# Altium PCB FMC_ADC_128CH_10B.PcbDoc (part 4 of 14)
Units mm, origin at the board's own origin, x right, y up, seen from the top; angles counter-clockwise.
Board outline 76.5 x 69 mm, 8 copper layers (Top Layer, Int1 (Sign), Int2 (GND), Int3 (Sign), Int4 (Sign), Int5 (GND), Int6 (Sign), Bottom Layer), stack 1.433 mm thick; 815 components, 661 nets, 3772 pads, 2072 vias.
Unrouted connection lines stored in the file: 135.
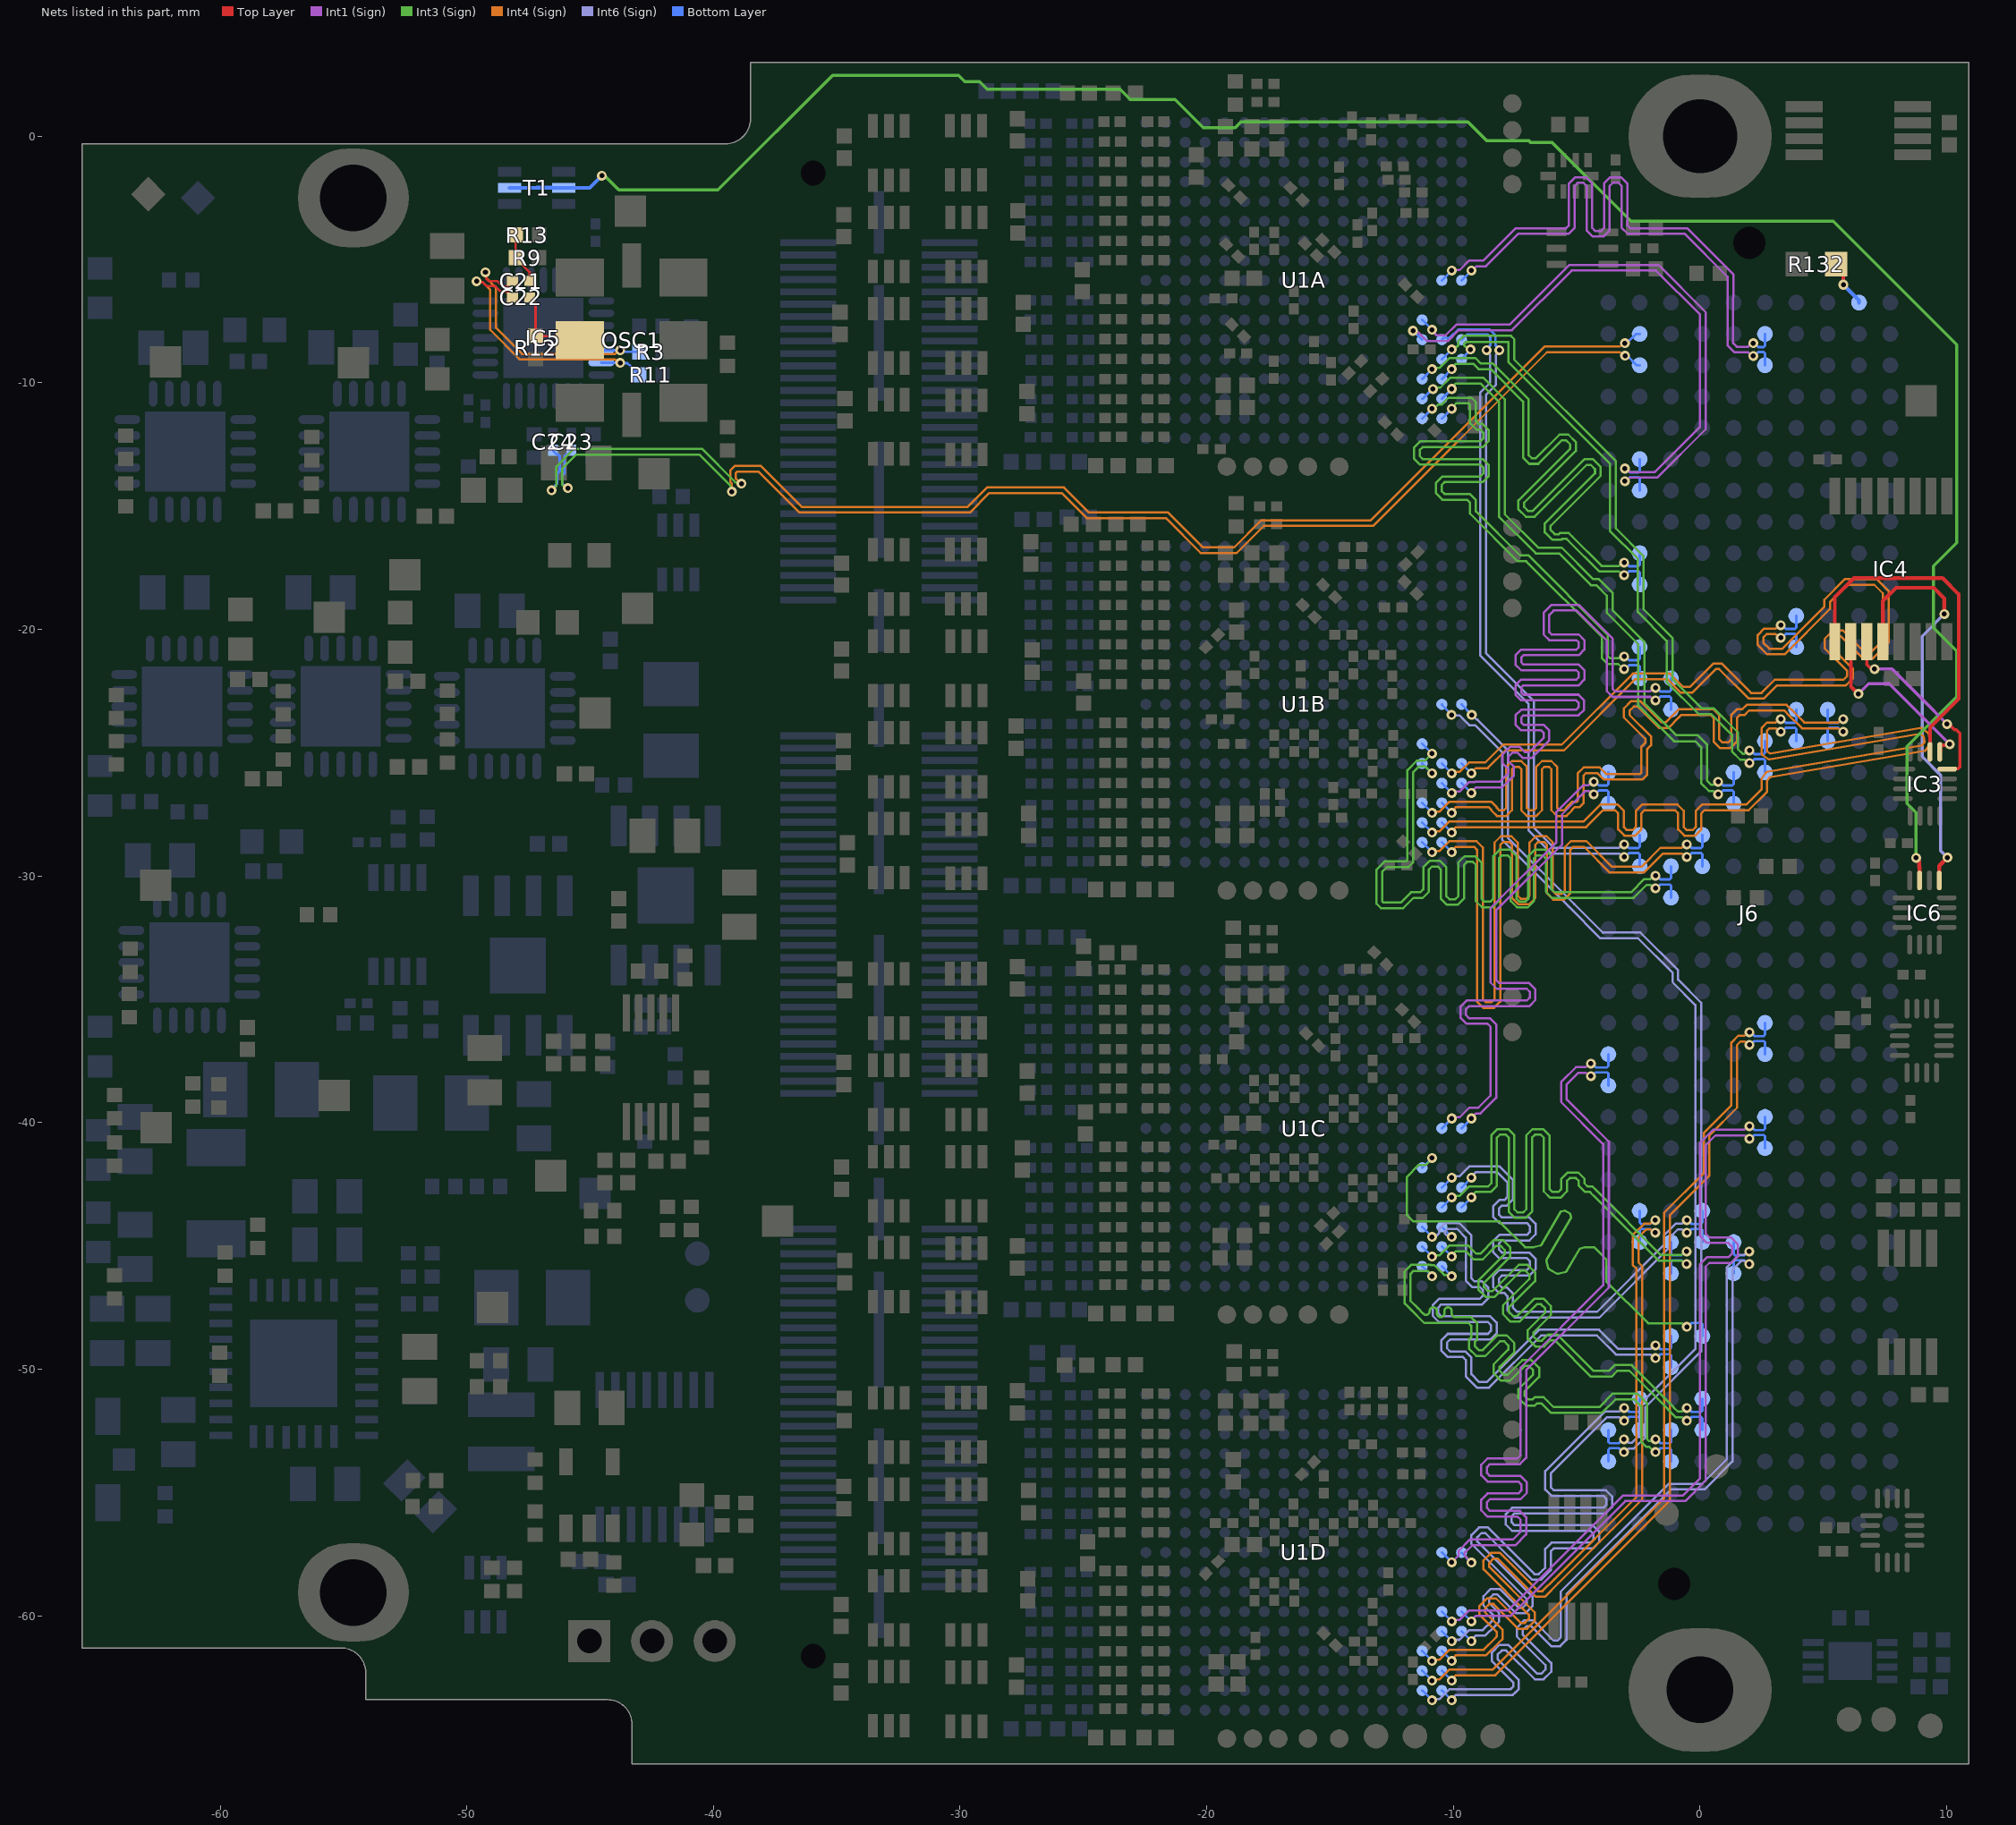
[diagram p10: the nets of this part, all layers, seen from the top]

## Via types
v1: diameter 0.4, hole 0.2, Top Layer to Bottom Layer, tented both sides, 1806 vias
v2: diameter 0.5, hole 0.2, Top Layer to Bottom Layer, tented both sides, 181 vias
v3: diameter 0.6, hole 0.3, Top Layer to Bottom Layer, tented both sides, 81 vias
v4: diameter 0.5, hole 0.3, Top Layer to Bottom Layer, tented both sides, 3 vias
v5: diameter 0.6, hole 0.2, Top Layer to Bottom Layer, tented both sides, 1 vias

## Nets (pads, with @x,y where several pads share a name; then routed paths per layer and width w, separated by ;. In a path a pad name is that pad's centre, name@x,y a point inside that pad or via, vN(x,y) a via of type N, cw(c..) or ccw(c..) an arc to the next point about the centre after c; other vN are vias at no path point) (continued)
CLK3_BIDIR_N: C24.1 J6.j3 | length 54.2
  Int3 (Sign) w0.091: v1(-46.565,-14.359) -46.551,-14.359 -46.365,-14.173 -46.365,-13.39 -45.649,-12.674 -40.472,-12.674 -39.109,-14.036 -38.913,-14.036 v1(-38.865,-14.084)
  Int4 (Sign) w0.091: v1(-38.865,-14.084) -38.892,-14.084 -39.091,-13.885 -39.091,-13.65 -39.044,-13.603 -38.166,-13.603 -36.513,-15.256 -29.599,-15.256 -28.812,-14.47 -25.882,-14.47 -24.866,-15.486 -21.659,-15.486 -20.242,-16.903 -18.794,-16.903 -17.692,-15.801 -13.253,-15.801 -6.209,-8.758 -3.247,-8.758 -3.107,-8.898 v1(-3.04,-8.898)
  Bottom Layer w0.1: v1(-46.565,-14.359) -46.565,-14.315 -46.333,-14.082 -46.333,-13.68 -46.229,-13.576 -46.229,-12.965 -46.288,-12.907 -46.349,-12.907 -46.499,-12.757 C24.1@-46.499,-12.732 ; v1(-3.04,-8.898) -2.959,-8.898 -2.573,-9.284 J6.j3@-2.447,-9.284
CLK3_BIDIR_P: C23.1 J6.j2 | length 54.1
  Int3 (Sign) w0.091: v1(-45.9,-14.271) -45.984,-14.271 -46.135,-14.12 -46.135,-13.485 -45.554,-12.904 -40.567,-12.904 -39.305,-14.166 -39.305,-14.363 v1(-39.257,-14.411)
  Int4 (Sign) w0.091: v1(-39.257,-14.411) -39.257,-14.084 -39.321,-14.02 -39.321,-13.555 -39.14,-13.373 -38.071,-13.373 -36.418,-15.026 -29.694,-15.026 -28.908,-14.24 -25.787,-14.24 -24.771,-15.256 -21.564,-15.256 -20.147,-16.673 -18.889,-16.673 -17.787,-15.571 -13.348,-15.571 -6.305,-8.528 -3.254,-8.528 -3.114,-8.388 v1(-3.047,-8.388)
  Bottom Layer w0.1: v1(-45.9,-14.271) -45.944,-14.271 -46.133,-14.082 -46.133,-13.763 -46.029,-13.659 -46.029,-12.965 -45.971,-12.907 -45.909,-12.907 -45.759,-12.757 C23.1@-45.759,-12.732 ; v1(-3.047,-8.388) -2.966,-8.388 -2.592,-8.014 J6.j2@-2.447,-8.014
CLK_DIR: J6.b1 R132.2 | length 1.9
  Top Layer w0.152: R132.2@5.517,-5.193 5.81,-5.486 v1(5.81,-6.019)
  Bottom Layer w0.152: v1(5.81,-6.019) 6.443,-6.652 J6.b1@6.443,-6.744
CLK_SEL: IC6.15 T1.2 T1.5 | length 89.3
  Top Layer w0.152: v1(8.764,-29.261) 8.884,-29.38 8.884,-29.626 8.9,-29.642 IC6.15@8.9,-30.179
  Int3 (Sign) w0.127: v1(-44.525,-1.6) -44.509,-1.617 -44.402,-1.617 -43.838,-2.18 -39.82,-2.18 -35.166,2.473 -30.06,2.473 -29.809,2.222 -29.214,2.222 -28.902,1.91 -23.508,1.91 -23.095,1.496 -21.281,1.496 -20.133,0.349 -18.845,0.349 -18.613,0.581 -9.411,0.581 -8.66,-0.17 -6.946,-0.17 -6.874,-0.242 -6.003,-0.242 -2.804,-3.441 5.398,-3.441 10.408,-8.451 10.408,-16.489 9.466,-17.431 9.466,-19.93 10.408,-20.873 10.408,-22.726 8.399,-24.735 8.399,-27.066 8.761,-27.429 v1@8.761,-29.258
  Bottom Layer w0.152: T1.2@-48.264,-2.094 -47.174,-2.094 -47.167,-2.086 -46.554,-2.086 -46.547,-2.094 T1.5@-46.064,-2.094 -45.018,-2.094 v1(-44.525,-1.6)
CS_A0: IC3.14 IC4.1 | length 14.3
  Top Layer w0.152: IC4.1@5.463,-20.489 5.463,-18.69 6.236,-17.917 9.828,-17.917 10.484,-18.574 10.484,-22.804 9.323,-23.965 IC3.14@9.323,-24.96
CS_A1: IC3.13 IC4.2 | length 7.8
  Top Layer w0.152: IC4.2@6.113,-20.489 6.113,-22.31 v1(6.417,-22.614) ; IC3.13@9.723,-24.96 9.745,-24.938 9.745,-24.693 10.076,-24.693 v1(10.119,-24.65)
  Int1 (Sign) w0.127: v1(6.417,-22.614) 6.831,-22.2 7.668,-22.2 v1(10.119,-24.65)
CS_A2: IC3.12 IC4.3 | length 7.8
  Top Layer w0.127: IC4.3@6.763,-20.489 6.763,-21.413 6.928,-21.578 7.043,-21.578 v1(7.07,-21.604) ; v1(10.013,-23.834) 10.087,-23.834 10.319,-24.066 10.383,-24.066 10.535,-24.217 10.535,-25.566 10.455,-25.646 10.037,-25.646 IC3.12@10.023,-25.66
  Int1 (Sign) w0.127: v1(7.07,-21.604) 7.784,-21.604 8.986,-22.806 v1(10.013,-23.834)
CSn: IC4.4 IC6.13 | length 16.9
  Top Layer w0.152: IC4.4@7.413,-20.489 7.413,-18.84 7.944,-18.309 9.468,-18.309 9.9,-18.741 v1(9.9,-19.376) ; IC6.13@9.7,-30.179 9.7,-29.58 v1(10.028,-29.251)
  Int6 (Sign) w0.127: v1(9.9,-19.376) 9.004,-20.272 9.004,-25.156 9.76,-25.912 9.76,-28.984 v1(10.028,-29.251)
DCLKA_N: J6.e3 U1A.U9 | length 25
  Int1 (Sign) w0.091: v1(-9.267,-5.445) -9.238,-5.445 -9.06,-5.267 -8.684,-5.267 -7.377,-3.959 -6.093,-3.959 ; -5.991,-3.959 -6.093,-3.959 ; v1(2.158,-8.904) 2.091,-8.904 1.951,-8.764 1.395,-8.764 1.113,-8.483 1.113,-6.441 1.119,-6.436 1.119,-5.695 -0.617,-3.959 -2.447,-3.959 -2.927,-3.959 -3.182,-3.705 -3.182,-2.011 -3.302,-1.891 -3.542,-1.891 -3.662,-2.011 -3.662,-3.812 -3.917,-4.066 -4.347,-4.066 -4.602,-3.812 -4.602,-2.011 -4.722,-1.891 -4.962,-1.891 -5.082,-2.011 -5.082,-3.705 -5.337,-3.959 -5.539,-3.959 -6.093,-3.959
  Bottom Layer w0.1: U1A.U9@-9.667,-5.845 v1(-9.267,-5.445) ; v1(2.158,-8.904) 2.212,-8.904 2.367,-8.749 2.574,-8.749 2.633,-8.808 J6.e3@2.633,-9.284
DCLKA_P: J6.e2 U1A.T9 | length 25.8
  Int1 (Sign) w0.091: v1(-10.067,-5.445) -10.046,-5.424 -9.747,-5.424 -9.361,-5.037 -8.78,-5.037 -7.472,-3.729 -6.093,-3.729 ; -6.087,-3.729 -6.093,-3.729 ; v1(2.158,-8.394) 2.091,-8.394 1.951,-8.534 1.49,-8.534 1.343,-8.388 1.343,-6.536 1.349,-6.531 1.349,-5.6 -0.522,-3.729 -2.447,-3.729 -2.832,-3.729 -2.952,-3.609 -2.952,-1.916 -3.207,-1.661 -3.637,-1.661 -3.892,-1.916 -3.892,-3.716 -4.012,-3.836 -4.252,-3.836 -4.372,-3.716 -4.372,-1.916 -4.627,-1.661 -5.057,-1.661 -5.312,-1.916 -5.312,-3.609 -5.432,-3.729 -5.539,-3.729 -6.093,-3.729
  Bottom Layer w0.1: U1A.T9@-10.467,-5.845 v1(-10.067,-5.445) ; v1(2.158,-8.394) 2.212,-8.394 2.367,-8.549 2.574,-8.549 2.633,-8.491 J6.e2@2.633,-8.014
DCLKB_N: J6.k38 U1B.U9 | length 37.9
  Int6 (Sign) w0.091: v1(-9.257,-23.468) -9.243,-23.468 -9.057,-23.654 -9.027,-23.654 -7.789,-24.891 -7.789,-28.442 -5.103,-31.129 -5.103,-31.132 -3.941,-32.294 -3.935,-32.289 -2.419,-32.289 -0.89,-33.818 -0.89,-34.202 0.04,-35.132 0.04,-49.272 -2.217,-51.53 -2.217,-52.755 -2.677,-53.214 -2.877,-53.214 -3.017,-53.354 v1(-3.084,-53.354)
  Bottom Layer w0.1: U1B.U9@-9.667,-23.034 -9.667,-23.045 -9.257,-23.456 v1(-9.257,-23.468) ; J6.k38@-3.717,-53.734 -3.717,-53.258 -3.658,-53.199 -3.493,-53.199 -3.293,-53.199 -3.138,-53.354 v1(-3.084,-53.354)
DCLKB_P: J6.k37 U1B.T9 | length 38.1
  Int6 (Sign) w0.091: v1(-10.077,-23.468) -10.064,-23.481 -9.757,-23.481 -9.361,-23.878 -9.158,-23.878 -9.152,-23.884 -9.122,-23.884 -8.019,-24.987 -8.019,-28.538 -5.333,-31.224 -5.333,-31.228 -4.036,-32.524 -3.845,-32.524 -3.84,-32.519 -2.514,-32.519 -1.12,-33.914 -1.12,-34.298 -0.19,-35.228 -0.19,-49.177 -2.447,-51.434 -2.447,-52.66 -2.772,-52.984 -2.877,-52.984 -3.017,-52.844 v1(-3.084,-52.844)
  Bottom Layer w0.1: U1B.T9@-10.467,-23.034 -10.467,-23.056 -10.077,-23.446 v1(-10.077,-23.468) ; J6.k37@-3.717,-52.464 -3.717,-52.941 -3.658,-52.999 -3.576,-52.999 -3.293,-52.999 -3.138,-52.844 v1(-3.084,-52.844)
DCLKC_N: J6.k17 U1C.U9 | length 22.4
  Int1 (Sign) w0.091: v1(-9.267,-39.83) -9.267,-39.805 -9.086,-39.624 -8.895,-39.624 -8.265,-38.994 -8.265,-36.584 -8.265,-36.014 -8.519,-35.759 -9.367,-35.759 -9.487,-35.639 -9.487,-35.399 -9.367,-35.279 -6.929,-35.279 -6.675,-35.024 -6.675,-34.594 -6.929,-34.339 -8.145,-34.339 -8.265,-34.219 -8.265,-34.112 -8.265,-31.392 -5.593,-28.72 -5.593,-27.495 -4.642,-26.544 -4.516,-26.544 -4.376,-26.684 v1(-4.309,-26.684)
  Bottom Layer w0.1: U1C.U9@-9.667,-40.23 v1(-9.267,-39.83) ; v1(-4.309,-26.684) -4.256,-26.684 -4.101,-26.529 -3.858,-26.529 -3.776,-26.529 -3.717,-26.588 J6.k17@-3.717,-27.064
DCLKC_P: J6.k16 U1C.T9 | length 23.3
  Int1 (Sign) w0.091: v1(-10.067,-39.83) -10.019,-39.782 -9.747,-39.782 -9.36,-39.394 -8.991,-39.394 -8.495,-38.898 -8.495,-36.584 -8.495,-36.109 -8.615,-35.989 -9.462,-35.989 -9.717,-35.734 -9.717,-35.304 -9.462,-35.049 -7.025,-35.049 -6.905,-34.929 -6.905,-34.689 -7.025,-34.569 -8.24,-34.569 -8.495,-34.314 -8.495,-34.112 -8.495,-31.297 -5.823,-28.625 -5.823,-27.4 -4.737,-26.314 -4.516,-26.314 -4.376,-26.174 v1(-4.309,-26.174)
  Bottom Layer w0.1: U1C.T9@-10.467,-40.23 v1(-10.067,-39.83) ; v1(-4.309,-26.174) -4.256,-26.174 -4.101,-26.329 -3.941,-26.329 -3.776,-26.329 -3.717,-26.271 J6.k16@-3.717,-25.794
DCLKD_N: J6.k26 U1D.U9 | length 32.4
  Int1 (Sign) w0.091: v1@-9.328,-57.779 v1(-9.267,-57.841) -9.267,-57.833 -9.552,-57.548 -9.552,-57.452 -9.237,-57.137 -7.494,-57.137 -7.048,-56.691 -7.048,-56.203 -7.048,-56 -7.303,-55.746 -8.518,-55.746 -8.638,-55.626 -8.638,-55.386 -8.518,-55.266 -7.273,-55.266 -7.019,-55.011 -7.019,-54.58 -7.273,-54.326 -8.518,-54.326 -8.638,-54.206 -8.638,-53.966 -8.518,-53.846 -7.303,-53.846 -7.048,-53.591 -7.048,-53.11 -7.048,-50.037 -3.697,-46.686 -3.697,-40.773 -5.407,-39.063 -5.407,-38.45 -4.931,-37.974 -4.632,-37.974 -4.492,-38.114 v1(-4.425,-38.114)
  Bottom Layer w0.1: U1D.U9@-9.667,-57.441 v1(-9.267,-57.841) ; v1(-4.425,-38.114) -4.371,-38.114 -4.216,-37.959 -3.894,-37.959 -3.776,-37.959 -3.717,-38.018 J6.k26@-3.717,-38.494
DCLKD_P: J6.k25 U1D.T9 | length 32.7
  Int1 (Sign) w0.091: v1@-10.006,-57.764 v1(-10.067,-57.825) -10.06,-57.825 -9.782,-57.548 -9.782,-57.357 -9.332,-56.907 -7.589,-56.907 -7.278,-56.596 -7.278,-56.203 -7.278,-56.096 -7.398,-55.976 -8.613,-55.976 -8.868,-55.721 -8.868,-55.29 -8.613,-55.036 -7.369,-55.036 -7.249,-54.916 -7.249,-54.676 -7.369,-54.556 -8.613,-54.556 -8.868,-54.301 -8.868,-53.87 -8.613,-53.616 -7.398,-53.616 -7.278,-53.496 -7.278,-53.11 -7.278,-49.941 -3.927,-46.59 -3.927,-40.868 -5.637,-39.159 -5.637,-38.354 -5.027,-37.744 -4.632,-37.744 -4.492,-37.604 v1(-4.425,-37.604)
  Bottom Layer w0.1: U1D.T9@-10.467,-57.425 v1(-10.067,-57.825) ; v1(-4.425,-37.604) -4.371,-37.604 -4.216,-37.759 -3.977,-37.759 -3.776,-37.759 -3.717,-37.701 J6.k25@-3.717,-37.224
DCXO_C_N: C22.1 OSC1.5 R12.2 | length 3.6
  Top Layer w0.1: C22.1@-47.449,-6.53 -47.424,-6.53 -47.299,-6.654 -47.299,-6.679 -47.209,-6.77 R12.2@-47.209,-8.102 -45.678,-8.102 OSC1.5@-45.414,-8.366
DCXO_C_P: C21.1 R9.2 R13.2 | length 2.1
  Top Layer w0.1: R13.2@-48.016,-4.003 R9.2@-48.016,-4.927 -48.016,-4.947 -47.449,-5.514 C21.1@-47.449,-5.866
DCXO_CC_N: C22.2 IC5.6 R11.2 | length 11.6
  Top Layer w0.1: v1(-49.604,-5.877) -49.566,-5.915 -49.347,-5.915 -49.186,-6.077 -48.842,-6.077 -48.621,-6.298 -48.382,-6.298 -48.324,-6.357 -48.324,-6.38 -48.174,-6.53 C22.2@-48.149,-6.53
  Int4 (Sign) w0.091: v1(-49.604,-5.877) -49.557,-5.925 -49.359,-5.925 -49.051,-6.232 -49.051,-7.853 -47.852,-9.052 -43.984,-9.052 -43.844,-9.192 v1(-43.777,-9.192)
  Bottom Layer w0.1: IC5.6@-44.544,-9.178 -44.537,-9.185 -43.784,-9.185 -43.771,-9.199 -43.489,-9.199 -43.356,-9.332 -43.269,-9.419 -43.249,-9.419 -43.009,-9.659 R11.2@-43.009,-9.679
DCXO_CC_P: C21.2 IC5.5 R3.2 | length 11.1
  Top Layer w0.1: v1(-49.244,-5.517) -49.206,-5.555 -49.206,-5.774 -49.103,-5.877 -48.759,-5.877 -48.538,-6.098 -48.382,-6.098 -48.324,-6.039 -48.324,-6.016 -48.174,-5.866 C21.2@-48.149,-5.866
  Int4 (Sign) w0.091: v1(-49.244,-5.517) -49.196,-5.564 -49.196,-5.762 -48.822,-6.137 -48.822,-7.757 -47.757,-8.822 -43.984,-8.822 -43.844,-8.682 v1(-43.777,-8.682)
  Bottom Layer w0.1: IC5.5@-44.544,-8.678 -44.542,-8.68 -43.779,-8.68 -43.721,-8.739 R3.2@-43.009,-8.739
DOUT0A_N: J6.j13 U1A.T16 | length 24.8
  Int3 (Sign) w0.091: v1(-10.067,-11.045) -10.067,-11.009 -9.892,-10.834 -9.367,-10.834 -9.32,-10.881 -9.32,-11.3 -9.32,-11.641 -9.066,-11.895 -8.909,-11.895 -8.789,-12.015 -8.789,-12.255 -8.909,-12.375 -11.345,-12.375 -11.599,-12.63 -11.599,-13.061 -11.345,-13.315 -8.909,-13.315 -8.789,-13.435 -8.789,-13.675 -8.909,-13.795 -10.449,-13.795 -10.704,-14.05 -10.704,-14.481 -10.449,-14.735 -9.44,-14.735 -9.32,-14.855 -9.32,-14.963 -9.32,-15.306 -7.394,-17.232 -7.046,-17.232 -3.975,-20.303 -3.975,-21.168 -3.745,-21.398 -3.326,-21.398 -3.12,-21.604 v1(-3.08,-21.604)
  Bottom Layer w0.1: U1A.T16@-10.467,-11.445 v1(-10.067,-11.045) ; v1(-3.08,-21.604) -3.026,-21.604 -2.871,-21.449 -2.588,-21.449 -2.506,-21.449 -2.447,-21.508 J6.j13@-2.447,-21.984
DOUT0A_P: J6.j12 U1A.R16 | length 25.6
  Int3 (Sign) w0.091: v1(-10.867,-11.045) -10.781,-11.045 -10.621,-10.885 -10.481,-10.885 -10.2,-10.604 -9.272,-10.604 -9.09,-10.786 -9.09,-11.3 -9.09,-11.545 -8.97,-11.665 -8.813,-11.665 -8.559,-11.92 -8.559,-12.351 -8.813,-12.605 -11.249,-12.605 -11.369,-12.725 -11.369,-12.965 -11.249,-13.085 -8.813,-13.085 -8.559,-13.34 -8.559,-13.771 -8.813,-14.025 -10.354,-14.025 -10.474,-14.145 -10.474,-14.385 -10.354,-14.505 -9.345,-14.505 -9.09,-14.76 -9.09,-14.963 -9.09,-15.211 -7.299,-17.002 -6.951,-17.002 -3.745,-20.207 -3.745,-21.073 -3.65,-21.168 -3.287,-21.168 -3.274,-21.156 -3.141,-21.156 v1(-3.08,-21.094)
  Bottom Layer w0.1: U1A.R16@-11.267,-11.445 v1(-10.867,-11.045) ; v1(-3.08,-21.094) -3.026,-21.094 -2.871,-21.249 -2.671,-21.249 -2.506,-21.249 -2.447,-21.191 J6.j12@-2.447,-20.714
DOUT0B_N: J6.g19 U1B.T16 | length 33.7
  Int4 (Sign) w0.091: v1(-10.067,-29.034) -10.067,-28.98 -9.901,-28.814 -9.558,-28.814 -9.161,-28.814 -9.041,-28.934 -9.041,-35.089 -8.786,-35.344 -8.356,-35.344 -8.101,-35.089 -8.101,-28.734 -7.981,-28.614 -7.741,-28.614 -7.621,-28.734 -7.621,-30.892 -7.366,-31.147 -6.936,-31.147 -6.681,-30.892 -6.681,-28.734 -6.561,-28.614 -6.321,-28.614 -6.201,-28.734 -6.201,-30.699 -5.946,-30.954 -5.516,-30.954 -5.261,-30.699 -5.261,-28.934 -5.141,-28.814 -5.034,-28.814 -4.705,-28.814 -3.662,-29.856 -2.279,-29.856 -1.507,-29.084 -0.747,-29.084 -0.607,-29.224 v1(-0.54,-29.224)
  Bottom Layer w0.1: U1B.T16@-10.467,-28.634 v1(-10.067,-29.034) ; v1(-0.54,-29.224) -0.486,-29.224 -0.331,-29.069 -0.048,-29.069 0.034,-29.069 0.093,-29.128 J6.g19@0.093,-29.604
DOUT0B_P: J6.g18 U1B.R16 | length 34.6
  Int4 (Sign) w0.091: v1(-10.867,-29.034) -10.813,-28.979 -10.556,-28.979 -10.16,-28.584 -9.558,-28.584 -9.066,-28.584 -8.811,-28.839 -8.811,-34.994 -8.691,-35.114 -8.451,-35.114 -8.331,-34.994 -8.331,-28.638 -8.076,-28.384 -7.646,-28.384 -7.391,-28.638 -7.391,-30.797 -7.271,-30.917 -7.031,-30.917 -6.911,-30.797 -6.911,-28.638 -6.656,-28.384 -6.226,-28.384 -5.971,-28.638 -5.971,-30.604 -5.851,-30.724 -5.611,-30.724 -5.491,-30.604 -5.491,-28.839 -5.236,-28.584 -5.034,-28.584 -4.609,-28.584 -3.567,-29.626 -2.374,-29.626 -1.602,-28.854 -0.747,-28.854 -0.607,-28.714 v1(-0.54,-28.714)
  Bottom Layer w0.1: U1B.R16@-11.267,-28.634 v1(-10.867,-29.034) ; v1(-0.54,-28.714) -0.486,-28.714 -0.331,-28.869 -0.131,-28.869 0.034,-28.869 0.093,-28.811 J6.g18@0.093,-28.334
DOUT0C_N: J6.h38 U1C.T16 | length 24
  Int3 (Sign) w0.091: v1(-10.067,-46.23) -10.122,-46.175 -10.379,-46.175 -10.774,-45.78 -10.923,-45.78 -10.934,-45.769 -11.717,-45.769 -11.975,-46.027 -11.975,-47.331 -11.719,-47.587 -11.178,-48.128 -9.383,-48.128 -9.278,-48.233 -9.278,-48.703 -9.372,-48.797 -9.372,-49.157 -9.068,-49.462 -8.708,-49.462 -8.11,-48.865 -7.941,-48.865 -7.771,-49.034 -7.771,-49.204 -8.368,-49.801 -8.368,-50.161 -8.064,-50.466 -7.704,-50.466 -7.106,-49.869 -6.937,-49.869 -6.767,-50.038 -6.767,-50.208 -7.364,-50.805 -7.364,-51.166 -7.06,-51.47 -6.699,-51.47 -6.605,-51.376 -6.436,-51.376 ; -6.436,-51.376 -6.36,-51.452 -6.037,-51.774 -3.985,-51.774 -3.435,-51.224 -2.657,-51.224 -2.384,-51.497 -2.384,-52.942 -2.178,-53.148 -2.056,-53.148 -1.85,-53.354 v1(-1.81,-53.354)
  Bottom Layer w0.1: U1C.T16@-10.467,-45.83 v1(-10.067,-46.23) ; v1(-1.81,-53.354) -1.756,-53.354 -1.601,-53.199 -1.318,-53.199 -1.236,-53.199 -1.177,-53.258 J6.h38@-1.177,-53.734
DOUT0C_P: J6.h37 U1C.R16 | length 23.2
  Int3 (Sign) w0.091: v1(-10.867,-46.23) -10.867,-46.176 -11.033,-46.01 -11.617,-46.01 -11.734,-46.126 -11.734,-47.231 -11.449,-47.517 -11.218,-47.747 ccw(c-11.113,-47.642) -10.963,-47.642 -10.963,-47.637 cw(c-10.814,-47.637) -10.814,-47.487 cw(c-10.814,-47.637) -10.664,-47.637 -10.664,-47.738 ccw(c-10.515,-47.738) -10.515,-47.887 ccw(c-10.515,-47.738) -10.365,-47.738 -10.365,-47.637 cw(c-10.216,-47.637) -10.216,-47.487 cw(c-10.216,-47.637) -10.066,-47.637 -10.066,-47.738 ccw(c-9.917,-47.738) -9.917,-47.887 -9.572,-47.887 -9.283,-47.887 -9.037,-48.133 -9.037,-48.803 -9.131,-48.897 -9.131,-49.058 -8.968,-49.221 -8.807,-49.221 -8.21,-48.624 -7.841,-48.624 -7.53,-48.935 -7.53,-49.304 -8.127,-49.901 -8.127,-50.062 -7.964,-50.225 -7.803,-50.225 -7.206,-49.628 -6.837,-49.628 -6.526,-49.939 -6.526,-50.308 -7.123,-50.905 -7.123,-51.066 -6.96,-51.229 -6.799,-51.229 -6.705,-51.135 -6.336,-51.135 -6.195,-51.276 -5.937,-51.533 -4.085,-51.533 -3.535,-50.983 -2.557,-50.983 -2.143,-51.398 -2.143,-52.842 -2.078,-52.907 -2.006,-52.907 -2.004,-52.906 -1.871,-52.906 v1(-1.81,-52.844)
  Bottom Layer w0.1: U1C.R16@-11.267,-45.83 v1(-10.867,-46.23) ; v1(-1.81,-52.844) -1.756,-52.844 -1.601,-52.999 -1.401,-52.999 -1.236,-52.999 -1.177,-52.941 J6.h37@-1.177,-52.464
DOUT0D_N: J6.f32 U1D.T16 | length 33.3
  Int6 (Sign) w0.091: v1(-10.067,-63.425) -10.067,-63.372 -9.901,-63.205 -7.59,-63.205 -7.491,-63.106 -7.348,-62.963 -7.348,-62.603 -8.207,-61.743 -8.207,-61.574 -8.037,-61.404 -7.867,-61.404 -6.699,-62.573 -6.339,-62.573 -6.034,-62.268 -6.034,-61.908 -7.194,-60.748 -7.194,-60.579 -7.024,-60.409 -6.854,-60.409 -6.034,-61.229 -5.674,-61.229 -5.419,-60.974 -5.419,-60.778 -5.419,-60.626 -5.419,-59.118 -1.174,-54.872 0.181,-54.872 1.316,-53.737 1.316,-50.124 1.31,-50.118 1.31,-45.967 1.683,-45.594 1.789,-45.594 1.929,-45.734 v1(1.996,-45.734)
  Bottom Layer w0.1: U1D.T16@-10.467,-63.025 v1(-10.067,-63.425) ; J6.f32@1.363,-46.114 1.363,-45.638 1.422,-45.579 1.587,-45.579 1.787,-45.579 1.942,-45.734 v1(1.996,-45.734)
DOUT0D_P: J6.f31 U1D.R16 | length 34.1
  Int6 (Sign) w0.091: v1(-10.867,-63.425) -10.813,-63.371 -10.556,-63.371 -10.16,-62.975 -7.685,-62.975 -7.653,-62.944 -7.578,-62.868 -7.578,-62.698 -8.437,-61.839 -8.437,-61.478 -8.132,-61.174 -7.772,-61.174 -6.604,-62.343 -6.434,-62.343 -6.264,-62.173 -6.264,-62.003 -7.424,-60.844 -7.424,-60.483 -7.119,-60.179 -6.759,-60.179 -5.939,-60.999 -5.769,-60.999 -5.649,-60.879 -5.649,-60.778 -5.649,-60.396 -5.649,-59.022 -1.269,-54.642 0.086,-54.642 1.086,-53.642 1.086,-50.219 1.08,-50.213 1.08,-45.872 1.588,-45.364 1.789,-45.364 1.929,-45.224 v1(1.996,-45.224)
  Bottom Layer w0.1: U1D.R16@-11.267,-63.025 v1(-10.867,-63.425) ; J6.f31@1.363,-44.844 1.363,-45.321 1.422,-45.379 1.504,-45.379 1.787,-45.379 1.942,-45.224 v1(1.996,-45.224)
DOUT1A_N: J6.f17 U1A.T15 | length 25
  Int3 (Sign) w0.091: v1(-10.067,-10.245) -10.067,-10.192 -9.901,-10.025 -8.897,-10.025 -8.154,-10.769 -8.154,-15.426 -6.661,-16.919 -5.711,-16.919 -4.426,-18.204 -4.205,-18.204 -3.778,-18.631 -3.778,-19.327 -2.503,-20.602 -2.503,-21.424 cw(c-6.402,-21.522) -2.502,-21.522 -2.502,-23.079 -1.051,-24.531 -0.187,-24.531 0.04,-24.758 0.04,-26.228 0.357,-26.544 0.523,-26.544 0.663,-26.684 v1(0.73,-26.684)
  Bottom Layer w0.1: U1A.T15@-10.467,-10.645 v1(-10.067,-10.245) ; v1(0.73,-26.684) 0.784,-26.684 0.939,-26.529 1.222,-26.529 1.304,-26.529 1.363,-26.588 J6.f17@1.363,-27.064
DOUT1A_P: J6.f16 U1A.R15 | length 25.9
  Int3 (Sign) w0.091: v1(-10.833,-10.251) -10.772,-10.19 -10.525,-10.19 -10.13,-9.795 -10.012,-9.795 -10.001,-9.784 -8.797,-9.784 -7.913,-10.669 -7.913,-15.326 -6.561,-16.678 -5.611,-16.678 -4.326,-17.963 -4.105,-17.963 -4.102,-17.967 -3.537,-18.531 -3.537,-19.227 -2.262,-20.502 -2.262,-21.421 -2.261,-21.422 -2.261,-22.979 -0.951,-24.29 -0.088,-24.29 0.281,-24.658 0.281,-26.128 0.457,-26.303 0.534,-26.303 0.663,-26.174 v1(0.73,-26.174)
  Bottom Layer w0.1: U1A.R15@-11.267,-10.645 -11.247,-10.645 -10.853,-10.251 v1(-10.833,-10.251) ; v1(0.73,-26.174) 0.784,-26.174 0.939,-26.329 1.139,-26.329 1.304,-26.329 1.363,-26.271 J6.f16@1.363,-25.794
DOUT1B_N: J6.d15 U1B.T15 | length 34.5
  Int4 (Sign) w0.091: v1(-10.067,-28.234) -10.067,-28.18 -9.901,-28.014 -4.622,-28.014 -4.002,-27.394 -3.94,-27.332 -3.895,-27.332 -3.437,-27.332 -3.317,-27.452 -3.317,-28.11 -3.062,-28.364 -2.632,-28.364 -2.377,-28.11 -2.377,-27.452 -2.257,-27.332 -2.15,-27.332 -2.088,-27.332 -1.007,-27.332 -0.887,-27.452 -0.887,-28.11 -0.633,-28.364 -0.202,-28.364 0.053,-28.11 0.053,-27.452 0.173,-27.332 0.28,-27.332 1.965,-27.332 2.719,-26.578 2.719,-26.556 2.719,-26.466 2.719,-26.138 2.824,-25.991 9.121,-24.922 9.153,-24.889 9.334,-24.635 9.334,-24.589 9.27,-24.213 9.237,-24.18 8.983,-24 8.937,-24 2.848,-25.033 2.719,-24.942 2.719,-24.825 2.719,-24.096 2.812,-24.004 3.063,-24.004 3.203,-24.144 v1(3.27,-24.144)